# Altium PCB Anchor_PCB.PcbDoc (continued)
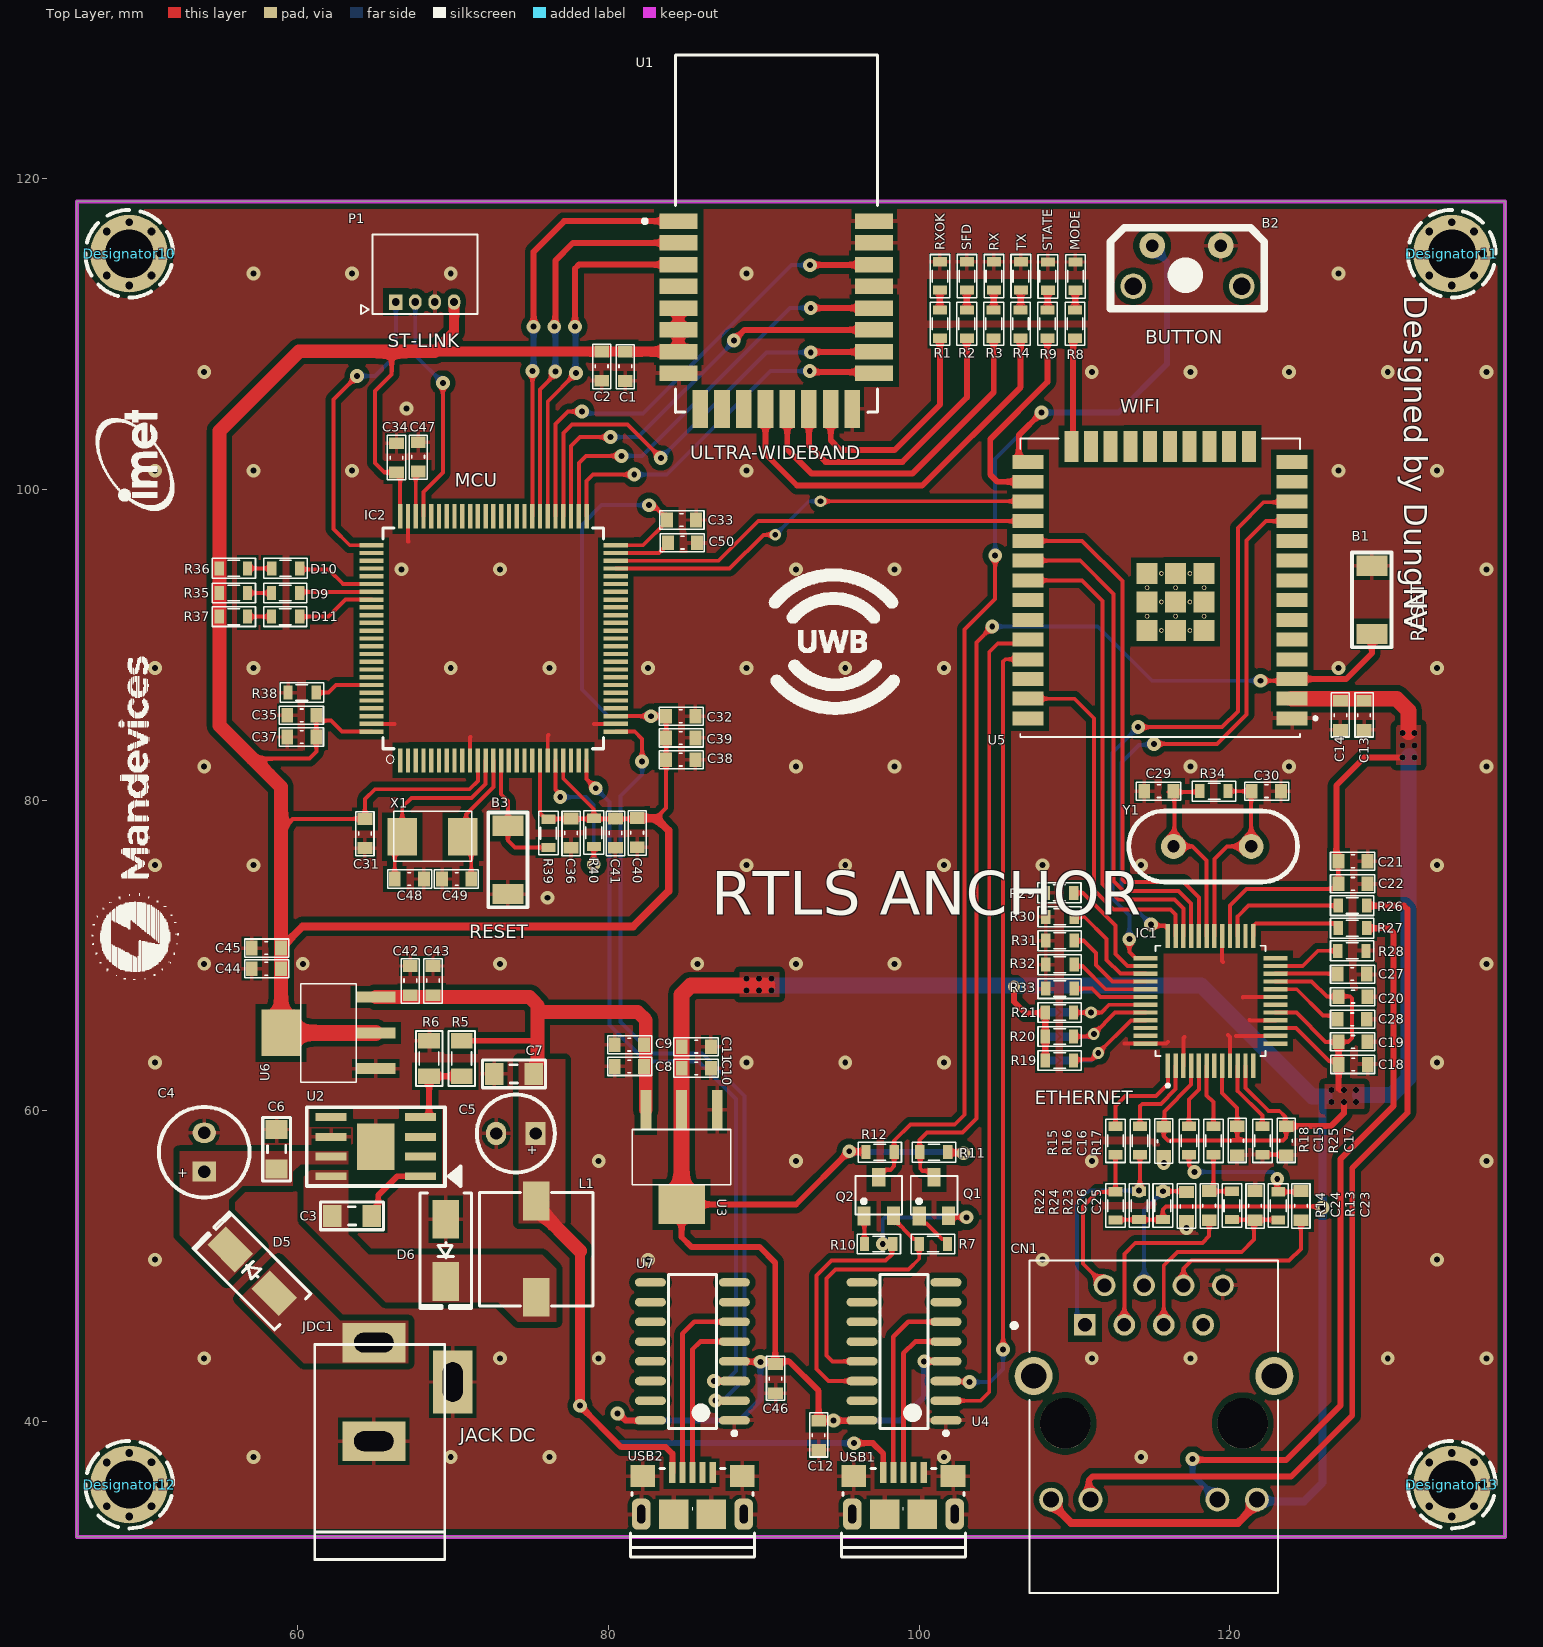
[diagram p0: Top Layer view]
## Footprints (in the part's own frame and the unit in brackets; to place one, negate y for a bottom-side part, rotate by r counter-clockwise, add the part's x,y. Pads: shape width x height; smd on the part's side, far side on the other; paste and mask are expansions set on the pad) (continued)
  silkscreen extent -8.23,-7.75 6.9,6.45, body extent -8.2,-8.65 7.8,7.35, height 1.56
SW [mm]
  rect 0.4x0.25 smd: 1(-0.225,-0.95) 2(-0.225,-0.075)
  Top Layer region: -0.475,-1.138 -0.475,-0.763 -0.225,-0.513 0.025,-0.762 0.025,-1.138
  Top Layer region: -0.475,-0.575 -0.225,-0.325 0.025,-0.575 0.025,0.112 -0.475,0.112
TPS5430-2 [mm]
  rect 2x0.508 smd: 1(-2.875,1.905) 2(-2.875,0.635) 3(-2.875,-0.635) 4(-2.875,-1.905) 5(2.875,-1.905) 6(2.875,-0.635) 7(2.875,0.635) 8(2.875,1.905)
  rect 2.413x2.54 smd: 9(0,0.229) 9(0,-0.229)
  silkscreen extent -5.46,-2.54 4.44,2.54, body extent -3.33,-2.49 3.33,2.49, height 1.69
"USB Micro 5p DIP" [mm]
  rect 0.4x1.35 smd mask+0.05: 1(-1.3,2.675) 2(-0.65,2.675) 3(0,2.675) 4(0.65,2.675) 5(1.3,2.675)
  rrect60% 1.2x2 hole 0.5 slot 1.2 at 90 deg: 5(-3.3,0) 5(3.3,0)
  rect 1.6x1.4 smd: 5(-3.2,2.45) 5(3.2,2.45)
  rect 1.9x1.9 smd paste-10: 5(-1.2,0) 5(1.2,0)
  silkscreen extent -4,-2.75 4,2.95, body extent -3.93,-2.76 3.93,2.9, height 2.85
W5500 [mm]
  rect 1.56x0.28 smd: 1(-4.28,2.283) 2(-4.28,1.783) 3(-4.28,1.283) 4(-4.28,0.783) 5(-4.28,0.283) 6(-4.28,-0.217) 7(-4.28,-0.717) 8(-4.28,-1.217) 9(-4.28,-1.717) 10(-4.28,-2.217) 11(-4.28,-2.717) 12(-4.28,-3.217) 25(4.08,-3.217) 26(4.08,-2.717) 27(4.08,-2.217) 28(4.08,-1.717) 29(4.08,-1.217) 30(4.08,-0.717) 31(4.08,-0.217) 32(4.08,0.283) 33(4.08,0.783) 34(4.08,1.283) 35(4.08,1.783) 36(4.08,2.283)
  rect 0.28x1.56 smd: 13(-2.85,-4.647) 14(-2.35,-4.647) 15(-1.85,-4.647) 16(-1.35,-4.647) 17(-0.85,-4.647) 18(-0.35,-4.647) 19(0.15,-4.647) 20(0.65,-4.647) 21(1.15,-4.647) 22(1.65,-4.647) 23(2.15,-4.647) 24(2.65,-4.647) 37(2.65,3.713) 38(2.15,3.713) 39(1.65,3.713) 40(1.15,3.713) 41(0.65,3.713) 42(0.15,3.713) 43(-0.35,3.713) 44(-0.85,3.713) 45(-1.35,3.713) 46(-1.85,3.713) 47(-2.35,3.713) 48(-2.85,3.713)
  silkscreen extent -5.65,-4.02 3.45,3.08, body extent -4.6,-4.97 4.4,4.03, height 1.6
XTAL [mm]
  round 1.6 hole 0.8: 1(-2.552,0.001) 2(2.448,0.001)
  silkscreen extent -5.44,-2.29 5.44,2.29, body extent -5.55,-2.32 5.62,2.35, height 3.63
"XTAL 5032 SMD" [mm] "SMD 5032 XTAL Footprint"
  rect 1.9x2.4 smd: 1(-1.981,0) 2(1.93,0)
  silkscreen extent -2.51,-1.57 2.49,1.63, body extent -2.5,-1.6 2.5,1.6, height 1.31

## Part data
C1 C2 C3 C6 C7 C8 C9 C10 C11 C12 C13 C14 C15 C16 C17 C18 C19 C20 C21 C22 C23 C24 C25 C26 C27 C28 C29 C30 C31 C32 C33 C34 C35 C36 C37 C38 C39 C40 C41 C42 C43 C44 C45 C46 C47 C48 C49 C50: library part CapSMD, "Capacitor", LatestRevisionDate=17-Jul-2002, LatestRevisionNote="Re-released for DXP Platform.", PackageReference=RAD-0.3, Published=8-Jun-2000, Publisher="Altium Limited"
C4 C5: library part "Cap Pol", "Polarized Capacitor (Axial)", LatestRevisionDate=17-Jul-2002, LatestRevisionNote="Re-released for DXP Platform.", PackageReference=POLAR0.8, Published=8-Jun-2000, Publisher="Altium Limited"
D5 D6: library part 1N5822, "Schottky Rectifiers"
D9 D10 D11 MODE RX RXOK SFD STATE TX: library part LED, "LED Single colour Green and Red"
JDC1: library part DCIN, "Jac DC input"
L1: library part Inductor, "CD73R 22uH 1.23A 7345"
P1: library part Header4, "Header IDC, 4 x 1 Pin Vertical 2.54mm Pitch (Non-Boxed, Male)", Manufacturer="W¨¹rth Elektronik eiSos GmbH", partNo=613002143121, ComponentLink1 Description=Manufacturer, ComponentLink1URL=http://www.we-online.com, ComponentLink2 Description=Datasheet, ComponentLink2URL=http://katalog.we-online.de/em/datasheet/6130xx143121.pdf, Created by="Karrer Zheng", Created Date="29 March 2013", NoPins=02
Q1 Q2: library part 2SC1815, "NPN 600mW, ECB"
R1 R2 R3 R4 R5 R6 R7 R8 R9 R10 R11 R12 R13 R14 R15 R16 R17 R18 R19 R20 R21 R22 R23 R24 R25 R26 R27 R28 R29 R30 R31 R32 R33 R34 R35 R36 R37 R38 R39 R40: library part "Resistor - SMD", "Resistor", Manufacturer="Generic Components", Class=Passive, Published=08/06/2000, Publisher="Altium Hobart Technology Centre"
U1: "Decawave's DW1000 Ultra / Wideband (UWB) transceiver IC"
U3 U6: "800mA Low-Dropout Linear Regulator", Creator="Nguyen Ba Bien", Website=http://group3i.net
U4 U7: "USB to serial chip CH340", Package=Package, Availability=Unavailable, Check_prices=https://www.snapeda.com/parts/CH340C/WCH/view-part/5428851/?ref=eda, MF=WCH, MP=CH340C, Price=None, SnapEDA_Link=https://www.snapeda.com/parts/CH340C/WCH/view-part/5428851/?ref=snap
U5: "Bluetooth, WiFi Transceiver Module 2.4GHz ~ 2.5GHz Surface Mount", Package="Module Espressif Systems", Digi-Key_Part_Number=1904-1010-1-ND, Digi-Key_Purchase_URL=https://www.digikey.com/product-detail/en/espressif-systems/ESP32-WROOM-32/1904-1010-1-ND/8544305?utm_source=snapeda&utm_medium=aggregator&utm_campaign=symbol, MF="Espressif Systems", MP=ESP32-WROOM-32, SnapEDA_Link=https://www.snapeda.com/parts/ESP32-WROOM-32/Espressif%20Systems/view-part/2753322/?ref=snap
USB1 USB2: "USB Type B", Ma_Hang=MH005145, Ten="MicroUSB MK5P DIP"
X1: library part XT2, "Crystal For all Crystal 2pin."
Y1: library part XTAL, "Crystal Oscillator", LatestRevisionDate=17-Jul-2002, LatestRevisionNote="Re-released for DXP Platform.", PackageReference=R38, Published=8-Jun-2000, Publisher="Altium Limited"
U2: Name=TPS5430

## Via types
v1: diameter 0.889, hole 0.381, Top Layer to Bottom Layer, tented both sides, 134 vias
v2: diameter 0.381, hole 0.381, Top Layer to Bottom Layer, tented both sides, 18 vias
v3: diameter 0.762, hole 0.381, Top Layer to Bottom Layer, tented both sides, 6 vias

## Nets (pads, with @x,y where several pads share a name; then routed paths per layer and width w, separated by ;. In a path a pad name is that pad's centre, name@x,y a point inside that pad or via, vN(x,y) a via of type N, cw(c..) or ccw(c..) an arc to the next point about the centre after c; other vN are vias at no path point)
+3.3V: C1.2 C2.2 C10.1 C11.1 C12.1 C13.1 C14.1 C15.1 C16.1 C17.1 C18.1 C19.1 C20.1 C21.1 C22.1 C31.2 C32.2 C33.2 C34.2 C35.2 C36.2 C37.2 C38.2 C39.2 C40.2 C41.2 C44.1 C45.1 C46.1 CN1.9 CN1.12 IC1.4 IC1.8 IC1.11 IC1.15 IC1.17 IC1.21 IC1.28 IC2.11 IC2.19 IC2.22 IC2.28 IC2.50 IC2.75 IC2.100 P1.4 R11.1 R12.1 R19.2 R20.2 R21.2 R22.2 R23.1 R24.1 R35.2 R36.2 R37.2 R39.1 R40.2 U1.5 U1.6 U1.7 U3.2 U4.4 U4.16 U5.2 U6.2 U7.4 U7.16 | length 508.4
  Top Layer w0.254: 57.087,82.677 60.744,82.677 61.201,83.134 C37.2 C35.2@61.201,85.377 ; 58.915,78.029 59.69,78.803 C31.2 64.325,80.073 64.96,80.709 71.056,80.709 71.593,81.245 IC2.11 ; C35.2 C35.2@61.201,85.377 ; IC2.100 62.838,84.419 62.134,85.123 61.455,85.123 C35.2@61.201,85.377 ; 66.04,108.902 66.04,107.425 64.96,106.345 64.96,101.727 65.583,101.105 C34.2 ; IC2.75 C34.2@66.595,101.028 ; IC2.19 75.593,79.17 75.968,78.795 81.896,78.795 C40.2@81.915,78.814 ; IC2.22 77.093,81.403 79.057,79.439 R40.2 ; IC2.28 v1@82.74,85.419 ; IC2.50 82.238,96.419 83.769,97.95 C33.2 83.769,98.138 83.032,98.875 82.735,98.875 v1(82.614,98.996) ; v1(82.74,85.407) C32.2 C39.2 C38.2 83.718,79.502 83.071,78.854 ; R22.2 112.668,52.992 114.173,52.992 115.678,52.992 R23.1 115.697,53.657 115.887,53.848 125.92,53.848 v1(125.984,53.785) ; IC1.4 117.517,61.701 115.79,59.973 115.79,59.008 C16.1 115.76,58.356 116.014,58.102 120.713,58.102 ; IC1.8 119.517,61.14 120.481,60.176 C15.1 120.481,58.335 120.713,58.102 ; IC1.28 120.017,73.218 121.094,74.295 126.746,74.295 127,74.549 C22.1 C21.1 ; IC1.11 121.017,61.482 122.492,60.008 123.19,60.008 123.571,59.627 123.571,59.08 C17.1 123.634,58.293 123.444,58.102 120.713,58.102 ; IC1.15 124.278,65.333 126.399,63.212 126.793,63.212 C18.1 ; IC1.17 124.294,66.333 126.182,64.445 C19.1 ; IC1.21 125.279,68.333 126.259,67.352 C20.1 127.021,67.373 127.74,67.373 127.889,67.225 127.889,64.706 127.628,64.445 C19.1 ; C19.1@127.013,64.433 C19.1
  Top Layer w0.381: v1(80.581,40.513) 80.671,40.513 81.115,40.069 U7.16 ; U7.4 88.14,43.846 v1(89.789,43.846) 90.617,43.846 C46.1@90.742,43.722 ; U4.16 96.323,40.062 v1(94.488,40.062) 93.542,40.062 C12.1 93.535,41.974 91.63,43.878 90.945,43.878 C46.1 C46.1@90.742,43.722 ; R12.1 96.552,57.372 95.536,57.372 v1(95.504,57.404) 92.075,53.975 84.709,53.975 84.709,51.88 85.344,51.244 89.725,51.244 90.742,50.228 C46.1@90.742,43.722 ; v1(100.33,43.878) U4.4 ; R11.1 101.886,57.309 102.838,57.309 v1(102.87,57.277) ; v3(106.121,68.008) 106.108,67.996 106.108,67.029 106.857,66.28 108.079,66.28 R21.2 R20.2 R19.2 ; C17.1 126.517,59.016 127.349,59.849 v2(127.349,60.579) ; C21.1 126.873,76.2 126.873,80.962 128.651,82.74 v2(131.127,82.74) ; C19.1@127.013,64.433 C18.1 127.013,61.455 127.127,61.341
  Top Layer w0.508: C45.1 58.915,70.579 59.042,70.706 59.136,70.706 60.312,71.882 81.597,71.882 83.883,74.168 83.883,78.041 83.071,78.854 C40.2 ; 68.803,108.902 68.816,108.89 ; CN1.9 108.5,34.756 109.792,33.465 120.523,33.465 120.904,33.846 120.904,33.855 121.751,34.701 CN1.12 CN1.12@121.867,34.861
  Top Layer w0.635: 68.803,108.902 70.064,110.164 P1.4 ; 68.816,108.89 C2.2 80.581,108.89 80.584,108.887 84.516,108.887 U1.7 U1.6 U1.5
  Top Layer w0.889: C45.1@58.915,70.579 58.915,78.029 58.915,80.848 57.087,82.677 54.953,84.81 R37.2 R35.2 R36.2 54.953,103.785 60.071,108.902 66.04,108.902 68.803,108.902 ; U6.2@58.928,65.024 C45.1@58.928,70.454
  Top Layer w1.016: U6.2@58.928,65.024 U6.2@65.024,65.024 ; U3.2@84.709,53.975 84.709,60.071 84.709,67.477 85.304,68.072 90.251,68.072 ; U5.2 130.736,86.537 131.508,85.765 131.508,84.391
  Bottom Layer w0.254: v1(82.614,98.996) 79.566,98.996 78.295,97.727 78.295,87.122 80.01,85.407 v1(82.74,85.407)
  Bottom Layer w0.381: v1(80.581,40.513) 80.671,40.513 81.115,40.069 88.456,40.069 89.789,41.402 v1(89.789,43.846) ; v1(94.488,40.062) 98.8,40.062 100.33,41.593 v1(100.33,43.878) ; v1(95.504,57.404) 95.567,57.34 102.806,57.34 v1(102.87,57.277)
  Bottom Layer w0.508: CN1.12@121.867,34.861 124.777,34.861 125.984,36.068 v1(125.984,53.785) 125.984,60.445
  Bottom Layer w1.016: 90.233,68.072 90.487,68.072 106.058,68.072 v3(106.121,68.008) ; v3@106.121,68.072 118.173,68.072 125.317,60.928 125.73,60.928 126.111,60.928 ; 128.397,61.023 130.429,61.023 131.508,62.103 131.508,82.804 131.572,82.867
  other v2: 126.555,60.579 128.143,60.579 126.555,61.341 127.349,61.341 128.143,61.341 88.9,67.754 89.694,67.754 90.487,67.754 88.9,68.516 89.694,68.516 90.487,68.516 131.889,82.74 131.127,83.534 131.889,83.534 131.127,84.328 131.889,84.328
+5V: C5.1 C7.1 C8.1 C9.1 C42.1 C43.1 L1.2 R5.2 U3.3 U6.3 USB1.1 USB2.1 | length 77.8
  Top Layer w0.381: R5.2 75.248,64.516 ; 71.564,67.183 71.564,67.324 ; L1.2@75.352,53.8 L1.2 ; v1(78.168,41.021) 80.835,38.354 83.693,38.354 84.114,37.933 USB2.1 ; v1(95.822,38.608) 97.028,38.608 97.696,37.94 USB1.1
  Top Layer w0.635: v1(78.168,41.021) 78.168,50.983
  Top Layer w0.889: U6.3 67.246,67.324 68.707,67.324 71.564,67.324 74.921,67.324 75.181,67.064 75.441,66.803 75.441,66.361 ; C7.1 75.339,62.538 75.339,63.06 75.438,63.159 75.438,64.516 75.438,66.358 ccw(c75.038,66.758) 75.441,66.361 ; L1.2@75.352,53.8 78.168,50.983 ; U3.3 82.409,62.865 82.409,65.84 81.888,66.361 75.441,66.361
  Bottom Layer w0.381: v1(78.168,41.021) 80.581,38.608 v1(95.822,38.608)
+12V: D5.1 JDC1.1
ACTLED: CN1.10 R26.2 | length 56.8
  Top Layer w0.381: CN1.10 110.934,35.084 110.934,36.226 111.158,36.449 123.952,36.449 127.889,40.386 127.889,56.325 131.445,59.88 131.445,72.993 131.222,73.216 R26.2
CH340_RXD: U4.3 U5.35 | length 51.3
  Top Layer w0.254: U4.3 101.761,42.577 103.219,42.577 v1(103.251,42.545) ; v1(105.41,44.64) 105.41,88.928 105.559,89.077 U5.35
  Bottom Layer w0.254: v1(103.251,42.545) 104.584,42.545 105.41,43.37 v1(105.41,44.64)
CH340_TXD: U4.2 U5.34 | length 53.5
  Top Layer w0.254: U4.2 103.95,41.338 104.521,41.91 104.521,89.535 105.093,90.106 106.776,90.106 U5.34
D_N: U4.6 USB1.2 | length 12.5
  Top Layer w0.305: USB1.2 98.346,45.451 99.314,46.419 U4.6
D_P: U4.5 USB1.3 | length 10.7
  Top Layer w0.305: USB1.3 98.996,44.386 99.758,45.148 U4.5
DN: U7.6 USB2.2 | length 12.6
  Top Layer w0.305: USB2.2 84.764,45.648 85.534,46.419 U7.6
DP: U7.5 USB2.3 | length 10.8
  Top Layer w0.305: USB2.3 85.414,44.647 85.915,45.148 U7.5
DTR: Q2.2 R7.1 U4.13 | length 17.4
  Top Layer w0.254: U4.13 94.424,43.878 94.043,44.259 94.043,49.212 94.615,49.784 99.314,49.784 100.012,50.482 R7.1 100.012,51.585 99.839,51.758 99.654,51.758 98.349,53.063 Q2.2
DW_NRST: IC2.56 U1.3 | length 23.5
  Top Layer w0.254: IC2.56 76.095,105.686 v1(77.915,107.505)
  Top Layer w0.381: v1(77.851,110.49) 77.851,114.236 78.099,114.485 U1.3
  Bottom Layer w0.254: v1(77.851,110.49) v1@77.883,110.458 ; v1@77.883,107.537 v1(77.915,107.505)
  Bottom Layer w0.381: v1@77.883,107.537 v1@77.883,110.458
EHT_RST: IC1.37 U5.12 | length 39.7
  Top Layer w0.254: v1(113.538,71.056) 113.538,70.242 113.934,69.846 114.574,69.846 IC1.37 ; v1(114.109,84.709) 119.507,84.709 120.523,85.725 120.523,97.536 122.174,99.187 123.966,99.187 U5.12
  Bottom Layer w0.254: v1(113.538,71.056) 113.538,72.581 112.459,73.66 112.459,83.058 v1(114.109,84.709)
EN: B1.2 Q1.3 R11.2 U5.3 | length 67.2
  Top Layer w0.254: Q1.3 100.965,55.836 100.667,56.134 100.225,56.134 100.076,56.283 100.076,57.303 R11.2 100.038,58.128 100.52,58.61 102.794,58.61 103.695,59.512 103.695,90.17 v1(104.712,91.186) ; v1(121.983,87.694) 123.902,87.694 U5.3
  Top Layer w0.381: U5.3 127.494,87.807 129.159,89.471 B1.2
  Bottom Layer w0.254: v1(104.712,91.186) 111.506,91.186 114.998,87.694 v1(121.983,87.694)
ETH_CS: IC1.32 U5.29 | length 34.3
  Top Layer w0.254: U5.29 110.503,96.697 113.093,94.107 113.093,74.888 113.242,74.739 117.03,74.739 118.017,73.753 IC1.32
ETH_INT: IC1.36 U5.11 | length 36.9
  Top Layer w0.254: v1(114.935,72.009) 115.028,71.916 116.004,71.916 116.017,71.903 IC1.36 ; v1(115.126,83.629) 119.189,83.629 121.094,85.534 121.094,96.71 122.351,97.967 U5.11
  Bottom Layer w0.254: v1(114.935,72.009) 113.03,73.914 113.03,82.423 114.173,83.566 115.062,83.566 v1(115.126,83.629)
ETH_MISO: IC1.34 U5.31 | length 31.2
  Top Layer w0.254: U5.31 110.504,94.157 111.823,92.837 111.823,74.612 112.84,73.596 116.459,73.596 117.017,73.038 IC1.34
ETH_MOSI: IC1.35 U5.37 | length 23.1
  Top Layer w0.254: U5.37 109.995,86.537 111.252,85.281 111.252,74.231 112.509,72.974 116.192,72.974 116.517,72.649 IC1.35
ETH_SCLK: IC1.33 U5.30 | length 32.6
  Top Layer w0.254: U5.30 110.377,95.427 112.522,93.281 112.522,74.813 113.167,74.168 116.713,74.168 117.517,73.364 IC1.33
EXTON: IC2.58 U1.1 | length 27.2
  Top Layer w0.254: IC2.58 75.108,98.302 75.108,107.62 v1(75.12,107.632)
  Top Layer w0.381: v1(75.184,110.49) 75.184,115.316 77.153,117.284 U1.1
  Bottom Layer w0.254: v1(75.12,107.632) v1@75.184,107.696
  Bottom Layer w0.381: v1@75.184,107.696 v1(75.184,110.49)
GND: B1.1 B2.1 B3.1 C1.1 C2.1 C4.2 C5.2 C6.2 C7.2 C8.2 C9.2 C10.2 C11.2 C12.2 C13.2 C14.2 C15.2 C16.2 C17.2 C18.2 C19.2 C20.2 C21.2 C22.2 C24.2 C26.2 C27.1 C28.1 C29.1 C30.1 C31.1 C32.1 C33.1 C34.1 C35.1 C36.1 C37.1 C38.1 C39.1 C40.1 C41.1 C42.2 C43.2 C44.2 C45.2 C46.2 C47.2 C48.1 C49.1 C50.2 CN1.8 D6.1 IC1.3 IC1.9 IC1.14 IC1.16 IC1.19 IC1.29 IC1.48 IC2.10 IC2.20 IC2.27 IC2.74 IC2.99 JDC1.2 JDC1.3 MODE.2 P1.3 R6.2 R25.1 R28.1 R29.1 R30.1 R31.1 R32.1 R33.1 R38.1 RX.2 RXOK.2 SFD.2 STATE.2 SW1.1 SW2.1 SW3.1 TX.2 U1.8 U1.16 U1.21 U1.23 U1.24 U2.6 U2.9 U3.1 U4.1 U5.1 U6.1 U7.1 USB1.5 USB2.5 | length 25
  Top Layer w0.254: IC2.99 66.211,84.919 66.23,84.9 ; v1(66.992,105.221) v1@67.014,105.221 ; IC2.74 67.095,96.671 67.12,96.647 ; IC2.10 71.093,84.047 71.12,84.074 ; IC2.20 76.093,84.157 76.136,84.201 ; 79.057,84.9 79.077,84.919 IC2.27 ; 113.221,64.325 113.228,64.333 IC1.48 115.895,64.333 116.014,64.453 ; v1(115.76,56.642) C16.2 ; IC1.3 117.017,64.693 117.094,64.77 ; v1(117.221,52.451) C26.2 ; IC1.29 119.517,69.649 119.57,69.596 ; 119.888,64.897 120.017,64.768 IC1.9 ; 120.397,64.833 IC1.14 ; 120.84,67.31 120.863,67.333 IC1.19 ; 121.285,65.849 121.302,65.833 IC1.16 ; R25.1 123.584,57.187 C17.2
  other v1: 57.15,37.719 69.85,37.719 76.2,37.719 101.6,37.719 114.3,37.719 53.975,44.069 73.025,44.069 79.375,44.069 111.125,44.069 117.475,44.069 130.175,44.069 136.525,44.069 50.8,50.419 82.55,50.419 107.95,50.419 133.35,50.419 79.375,56.769 92.075,56.769 111.125,56.769 136.525,56.769 50.8,63.119 88.9,63.119 95.25,63.119 101.6,63.119 133.35,63.119 53.975,69.469 60.325,69.469 73.025,69.469 85.725,69.469 92.075,69.469 98.425,69.469 136.525,69.469 76.073,73.724 50.8,75.819 57.15,75.819 88.9,75.819 95.25,75.819 101.6,75.819 107.95,75.819 114.3,75.819 133.35,75.819 53.975,82.169 92.075,82.169 98.425,82.169 117.475,82.169 123.825,82.169 136.525,82.169 50.8,88.519 57.15,88.519 69.85,88.519 76.2,88.519 82.55,88.519 88.9,88.519 95.25,88.519 101.6,88.519 127,88.519 133.35,88.519 66.675,94.869 73.025,94.869 92.075,94.869 98.425,94.869 136.525,94.869 50.8,101.219 57.15,101.219 63.5,101.219 88.9,101.219 127,101.219 133.35,101.219 53.975,107.569 111.125,107.569 117.475,107.569 123.825,107.569 130.175,107.569 136.525,107.569 57.15,113.919 63.5,113.919 69.85,113.919 88.9,113.919 127,113.919
IO0: B2.2 Q2.3 R12.2 U5.25 | length 77.2
  Top Layer w0.254: Q2.3 97.409,55.899 97.707,56.197 97.707,56.206 98.158,56.206 98.399,56.448 98.399,57.122 R12.2@98.29,57.231 ; R12.2 98.399,58.077 99.441,59.118 102.298,59.118 102.933,59.753 102.933,90.995 104.902,92.964 v1(104.902,95.758)
  Top Layer w0.381: R12.2@98.29,57.231 R12.2 ; U5.25 106.686,101.777 106.426,102.037 106.426,103.505 v1(107.886,104.965)
  Bottom Layer w0.254: v1(104.902,95.758) 104.902,101.981 v1(107.886,104.965)
  Bottom Layer w0.381: v1(107.886,104.965) 112.84,104.965 115.951,108.077 115.951,114.674 115.011,115.614 B2.2
IO2: R8.2 U5.24 | length 7.1
  Top Layer w0.381: U5.24 109.918,102.895 109.918,109.644 110.028,109.754 R8.2
IO4: R9.2 U5.26 | length 12.9
  Top Layer w0.381: U5.26 105.043,100.507 104.584,100.965 104.584,103.251 108.268,106.934 R9.2
IRQ: IC2.55 U1.22 | length 30.8
  Top Layer w0.254: IC2.55 76.595,104.218 77.406,105.029 v1(78.295,105.029)
  Top Layer w0.381: v1(92.98,114.448) 92.998,114.466 97.09,114.466 U1.22
  Bottom Layer w0.254: v1(78.295,105.029) 78.383,104.942 78.633,104.942 78.673,104.902 82.233,104.902 91.779,114.448 v1(92.98,114.448)
LED1: D10.2 IC2.81 | length 5
  Top Layer w0.254: D10.2 60.198,94.869 61.976,94.869 62.926,93.919 IC2.81
LED2: D9.2 IC2.82 | length 4.6
  Top Layer w0.254: D9.2 60.195,93.419 IC2.82
LED3: D11.2 IC2.83 | length 5.1
  Top Layer w0.254: D11.2 61.976,91.821 63.074,92.919 IC2.83
LED_RX: R3.2 U1.13 | length 22.2
  Top Layer w0.381: U1.13 91.514,102.606 93.091,101.028 99.568,101.028 104.807,106.267 R3.2
LED_RXOK: R1.2 U1.15 | length 14.8
  Top Layer w0.381: U1.15 94.313,103.172 94.932,102.552 98.425,102.552 101.346,105.474 R1.2
LED_SFD: R2.2 U1.14 | length 18.5
  Top Layer w0.381: U1.14 92.914,102.857 93.98,101.79 98.933,101.79 103.076,105.934 R2.2
LED_TX: R4.2 U1.12 | length 25.9
  Top Layer w0.381: U1.12 90.114,102.291 92.138,100.266 100.203,100.266 106.537,106.601 R4.2
LINKLED: CN1.11 R27.2 | length 48
  Top Layer w0.381: v1(117.602,37.592) 117.665,37.529 123.634,37.529 127.127,41.021 127.127,56.896 130.556,60.325 130.556,71.438 130.231,71.763 R27.2
  Bottom Layer w0.381: v1(117.602,37.592) 117.613,37.581 117.613,36.576 CN1.11
NetC3_1: C3.1 U2.1 | length 4.7
  Top Layer w0.381: C3.1 65.179,53.648 65.179,54.575 66.396,55.791 U2.1
NetC3_2: C3.2 D6.2 L1.1 U2.8
NetC4_1: C4.1 C6.1 D5.2 U2.7
NetC23_1: C23.1 CN1.6 | length 11
  Top Layer w0.254: CN1.6 117.025,49.842 117.538,50.355 123.825,50.355 124.587,51.117 C23.1
NetC24_1: C24.1 CN1.5 R13.2 R14.1 | length 14.6
  Top Layer w0.254: CN1.5 115.755,50.033 116.649,50.927 120.777,50.927 121.561,51.711 121.561,52.886 C24.1 ; R14.1 120.161,52.992 121.54,52.992 123.108,52.992 R13.2
NetC25_1: C25.1 CN1.3 | length 11.5
  Top Layer w0.254: CN1.3 113.215,50.795 113.919,51.498 118.237,51.498 118.681,51.943 C25.1
NetC26_1: C26.1 CN1.4 R23.2 | length 8.1
  Top Layer w0.254: v1(115.697,54.826) 117.182,54.826 C26.1
  Bottom Layer w0.254: CN1.4 114.485,53.615 v1(115.697,54.826)
NetC27_2: C27.2 IC1.22 | length 4
  Top Layer w0.254: IC1.22 126.922,68.833 C27.2
NetC28_2: C28.2 IC1.20 | length 4.8
  Top Layer w0.254: IC1.20 124.318,67.833 126.018,66.133 126.716,66.133 C28.2
NetC47_1: C47.1 IC2.73 | length 3
  Top Layer w0.254: IC2.73 67.596,101.009 C47.1@67.819,101.233
NetC48_2: C48.2 IC2.12 X1.1 | length 12.3
  Top Layer w0.254: C48.2 66.243,77.176 X1.1 66.726,79.553 67.32,80.147 71.194,80.147 72.093,81.046 IC2.12
NetC49_2: C49.2 IC2.13 X1.2 | length 8.7
  Top Layer w0.254: C49.2 71.171,77.125 X1.2 70.836,77.857 70.836,79.091 72.593,80.848 IC2.13
NetC50_1: C50.1 IC2.49 | length 3.7
  Top Layer w0.254: IC2.49 83.262,95.919 83.833,96.489 C50.1
NetD1_1: R1.1 RXOK.1 | length 1.3
  Top Layer w0.381: R1.1 RXOK.1
NetD2_1: R2.1 SFD.1 | length 1.3
  Top Layer w0.381: R2.1 103.08,111.573 103.08,112.849 SFD.1
NetD3_1: R3.1 RX.1 | length 1.3
  Top Layer w0.381: R3.1 104.813,111.576 104.813,112.846 RX.1
NetD4_1: R4.1 TX.1 | length 1.3
  Top Layer w0.381: R4.1 106.547,111.579 106.547,112.843 TX.1
NetD7_1: MODE.1 R8.1 | length 1.3
  Top Layer w0.381: R8.1 110.058,111.582 110.058,112.827 MODE.1
NetD8_1: R9.1 STATE.1 | length 1.3
  Top Layer w0.381: R9.1 108.28,111.582 108.28,112.827 STATE.1
NetD9_1: D9.1 R35.1 | length 1.5
  Top Layer w0.254: R35.1 D9.1
NetD10_1: D10.1 R36.1 | length 1.5
  Top Layer w0.254: R36.1 D10.1
NetD11_1: D11.1 R37.1 | length 1.5
  Top Layer w0.254: R37.1 D11.1
NetIC1_1: IC1.1 R15.2 | length 6.4
  Top Layer w0.254: R15.2 112.649,60.325 113.284,60.96 115.252,60.96 116.017,61.725 IC1.1
NetIC1_2: IC1.2 R16.2 | length 5.5
  Top Layer w0.254: R16.2 114.225,60.303 114.374,60.452 115.57,60.452 116.517,61.399 IC1.2
NetIC1_5: IC1.5 R17.2 | length 4.2
  Top Layer w0.254: R17.2 117.378,60.736 118.017,61.375 IC1.5
NetIC1_6: IC1.6 R18.2 | length 4.1
  Top Layer w0.254: IC1.6 118.517,60.997 118.955,60.56 R18.2
NetIC1_10: IC1.10 R25.2 | length 4.6
  Top Layer w0.254: IC1.10 120.517,61.283 122.108,59.693 R25.2
NetIC1_23: IC1.23 R28.2 | length 4.4
  Top Layer w0.254: IC1.23 124.705,69.333 125.681,70.309 R28.2
NetIC1_25: IC1.25 R27.1 | length 6.4
  Top Layer w0.254: IC1.25 121.53,71.276 121.53,71.924 121.679,72.072 126.826,72.072 126.999,71.9 R27.1
NetIC1_27: IC1.27 R26.1 | length 8
  Top Layer w0.254: IC1.27 120.517,72.511 121.222,73.216 R26.1
NetIC1_38: IC1.38 R29.2 | length 7.7
  Top Layer w0.254: R29.2 110.553,74.041 112.649,71.945 112.649,70.104 113.42,69.333 IC1.38
NetIC1_39: IC1.39 R30.2 | length 6.9
  Top Layer w0.254: R30.2 110.635,72.499 112.078,71.056 112.078,69.723 112.968,68.833 IC1.39
NetIC1_40: IC1.40 R31.2 | length 6.1
  Top Layer w0.254: R31.2 110.59,70.957 111.379,70.168 111.379,69.406 112.452,68.333 IC1.40
NetIC1_41: IC1.41 R32.2 | length 5.3
  Top Layer w0.254: R32.2 110.079,69.318 110.514,69.318 111.999,67.833 IC1.41
NetIC1_42: IC1.42 R33.2 | length 4.8
  Top Layer w0.254: R33.2 111.134,67.872 111.674,67.333 IC1.42
NetIC1_43: IC1.43 R21.1 SW1.2 | length 6.5
  Top Layer w0.254: R21.1 v3(111.061,66.33) 111.733,66.33 112.235,66.833 IC1.43
  Bottom Layer w0.254: SW1.2@109.46,66.344 111.048,66.344 v3(111.061,66.33)
NetIC1_44: IC1.44 R20.1 SW2.2 | length 7.1
  Top Layer w0.254: R20.1 111.08,64.788 v3(111.252,64.96) 112.624,66.333 IC1.44
  Bottom Layer w0.254: SW2.2 110.924,64.77 111.115,64.96 v3(111.252,64.96)
NetIC1_45: IC1.45 R19.1 SW3.2 | length 8
  Top Layer w0.254: R19.1 109.994,63.296 111.111,63.296 v3(111.538,63.722) 113.642,65.827 114.581,65.827 IC1.45
  Bottom Layer w0.254: SW3.2 111.061,63.246 v3(111.538,63.722)
NetIC2_21: IC2.21 R40.1 | length 9.8
  Top Layer w0.254: IC2.21 76.593,80.693 76.811,80.475 76.811,80.288 v1(76.898,80.2) ; v1(79.057,75.882) R40.1
  Bottom Layer w0.254: v1(76.898,80.2) 78.549,80.2 79.057,79.692 v1(79.057,75.882)
NetIC2_94: IC2.94 R38.2 | length 3.8
  Top Layer w0.254: R38.2 61.976,86.932 62.463,87.419 IC2.94
NetQ1_1: Q1.1 R7.2 | length 2.7
  Top Layer w0.254: Q1.1 100.015,53.058 100.313,52.76 100.483,52.76 101.485,51.758 101.655,51.758 101.828,51.585 R7.2
NetQ2_1: Q2.1 R10.2 | length 1.8
  Top Layer w0.254: Q2.1 96.482,53.21 R10.2
NetR5_1: R5.1 R6.1 U2.4 | length 5.2
  Top Layer w0.381: U2.4 68.389,59.601 68.453,59.665 R6.1 R5.1
NRST: B3.2 IC2.14 R39.2 | length 8.1
  Top Layer w0.254: IC2.14 73.093,80.387 73.533,79.947 B3.2 73.533,77.406 73.979,76.96 R39.2
RST: Q1.2 R10.1 U4.14 | length 24.2
  Top Layer w0.254: U4.14 94.17,42.608 93.408,43.37 93.408,49.403 94.361,50.355 97.853,50.355 98.251,50.753 98.251,51.388 R10.1 v1(97.663,51.435) ; Q1.2 101.994,53.149 v1(103.06,53.149)
  Bottom Layer w0.254: v1(97.663,51.435) 97.663,53.001 97.812,53.149 v1(103.06,53.149)
RXD2: IC2.47 U5.27 | length 28.3
  Top Layer w0.254: IC2.47 87.807,94.919 89.98,97.091 v3(90.742,97.091) ; v3(93.662,99.251) 107.002,99.251 U5.27
  Bottom Layer w0.254: v3(90.742,97.091) 92.9,99.251 v3(93.662,99.251)
SPI1_CLK: IC2.52 U1.20 | length 26.6
  Top Layer w0.254: IC2.52 78.095,101.717 78.549,102.171 v1(80.835,102.171)
  Top Layer w0.381: v1(93.027,111.697) 93.033,111.691 97.103,111.691 U1.20
  Bottom Layer w0.254: v1(80.835,102.171) 82.169,102.171 91.694,111.697 v1(93.027,111.697)
SPI1_CS: IC2.51 U1.17 | length 23.8
  Top Layer w0.254: IC2.51 78.595,100.566 78.994,100.965 v1(81.661,100.965) ; U1.17@96.96,107.632 U1.17
  Top Layer w0.381: v1(92.964,107.632) 93.027,107.569 96.897,107.569 U1.17@96.96,107.632
  Bottom Layer w0.254: v1(81.661,100.965) 83.757,100.965 90.424,107.632 v1(92.964,107.632)
SPI1_MISO: IC2.53 U1.19 | length 27.2
  Top Layer w0.254: IC2.53 77.595,102.805 78.168,103.378 v1(80.137,103.378)
  Top Layer w0.381: v1(88.075,109.601) 88.758,110.285 U1.19
  Bottom Layer w0.254: v1(80.137,103.378) 81.915,103.378 88.075,109.537 v1(88.075,109.601)
SPI1_MOSI: IC2.54 U1.18 | length 29.3
  Top Layer w0.254: IC2.54 77.095,103.638 77.66,104.203 81.216,104.203 v1(83.376,102.044)
  Top Layer w0.381: v1(93.027,108.839) 93.05,108.862 97.086,108.862 U1.18
  Bottom Layer w0.254: v1(83.376,102.044) 90.17,108.839 v1(93.027,108.839)
SWCLK: IC2.76 P1.1 | length 19.8
  Top Layer w0.254: v1(63.817,107.315) 62.293,105.791 62.293,97.472 63.347,96.419 IC2.76
  Bottom Layer w0.254: v1(63.817,107.315) 64.96,107.315 66.314,108.668 P1.1
SWDIO: IC2.72 P1.2 | length 15
  Top Layer w0.254: IC2.72 68.096,99.846 69.342,101.092 v1(69.342,106.87)
  Bottom Layer w0.254: P1.2 67.564,108.648 v1(69.342,106.87)
TPIN+: C25.2 R14.2 R18.1 | length 3.9
  Top Layer w0.254: R18.1 118.955,55.093 118.701,54.839 C25.2 118.694,54.826 R14.2
TPIN-: C23.2 R13.1 R17.1 | length 9.2
  Top Layer w0.254: R17.1 117.378,56.506 117.729,56.155 v1(117.729,56.07) ; v1(123.063,55.626) 123.063,54.852 R13.1 124.537,54.789 C23.2
  Bottom Layer w0.254: v1(117.729,56.07) 122.745,56.07 123.063,55.753 v1(123.063,55.626)
TPOUT+: CN1.1 R16.1 R24.2 | length 14.8
  Top Layer w0.254: v1(114.173,54.864) R24.2 114.225,54.879 R16.1
  Bottom Layer w0.254: CN1.1 110.172,46.731 110.172,54.102 110.934,54.864 v1(114.173,54.864)
TPOUT-: CN1.2 R15.1 R22.1 | length 10.5
  Top Layer w0.254: CN1.2 110.553,50.16 110.553,53.848 111.494,54.789 R22.1 R15.1
TXD2: IC2.48 U5.28 | length 27.6
  Top Layer w0.254: IC2.48 87.1,95.419 89.648,97.967 U5.28
UART2_RXD: IC2.26 U7.2 | length 52.6
  Top Layer w0.254: IC2.26 81.697,84.419 82.169,83.947 v1(82.169,82.486) ; v1(86.892,41.351) 86.898,41.345 88.101,41.345 U7.2
  Bottom Layer w0.254: v1(82.169,82.486) 82.169,81.661 80.772,80.264 80.772,65.722 82.804,63.691 86.042,63.691 88.773,60.96 88.773,42.735 87.51,41.473 87.013,41.473 v1(86.892,41.351)
UART2_TXD: IC2.25 U7.3 | length 48.2
  Top Layer w0.254: IC2.25 78.593,81.364 v1(79.184,80.772) ; v1(86.804,42.608) U7.3
  Bottom Layer w0.254: v1(79.184,80.772) 80.073,79.883 80.073,65.532 82.423,63.182 85.789,63.182 88.201,60.77 88.201,43.243 87.63,42.672 86.868,42.672 v1(86.804,42.608)
WAKEUP: IC2.57 U1.2 | length 25.3
  Top Layer w0.254: IC2.57 75.595,106.456 76.581,107.442 v1(76.581,107.614)
  Top Layer w0.381: v1@76.581,110.426 76.581,114.745 77.721,115.885 U1.2
  Bottom Layer w0.381: v1(76.581,107.614) v1@76.581,110.426
  other v1: 76.517,110.49
XI: C30.2 IC1.30 R34.1 Y1.2 | length 12.7
  Top Layer w0.254: IC1.30 119.017,76.218 119.825,77.026 Y1.2 121.384,80.581 R34.1
XO: C29.2 IC1.31 R34.2 Y1.1 | length 13
  Top Layer w0.254: C29.2@116.065,80.53 C29.2@116.434,80.53 ; C29.2 C29.2@116.434,80.53 ; R34.2 118.021,80.53 C29.2@116.434,80.53 ; IC1.31 118.517,76.11 117.601,77.026 Y1.1 116.434,77.077 C29.2@116.434,80.53
pads on no net: B2.0 CN1. CN1.7 CN1.15 CN1.16 Designator10.0 Designator10.2 Designator11.0 Designator11.2 Designator12.0 Designator12.2 Designator13.0 Designator13.2 IC1.7 IC1.12 IC1.13 IC1.18 IC1.24 IC1.26 IC1.46 IC1.47 IC2.1 IC2.2 IC2.3 IC2.4 IC2.5 IC2.6 IC2.7 IC2.8 IC2.9 IC2.15 IC2.16 IC2.17 IC2.18 IC2.23 IC2.24 IC2.29 IC2.30 IC2.31 IC2.32 IC2.33 IC2.34 IC2.35 IC2.36 IC2.37 IC2.38 IC2.39 IC2.40 IC2.41 IC2.42 IC2.43 IC2.44 IC2.45 IC2.46 IC2.59 IC2.60 IC2.61 IC2.62 IC2.63 IC2.64 IC2.65 IC2.66 IC2.67 IC2.68 IC2.69 IC2.70 IC2.71 IC2.77 IC2.78 IC2.79 IC2.80 IC2.84 IC2.85 IC2.86 IC2.87 IC2.88 IC2.89 IC2.90 IC2.91 IC2.92 IC2.93 IC2.95 IC2.96 IC2.97 IC2.98 U1.4 U1.9 U1.10 U1.11 U2.2 U2.3 U2.5 U4.7 U4.8 U4.9 U4.10 U4.11 U4.12 U4.15 U5.4 U5.5 U5.6 U5.7 U5.8 U5.9 U5.10 U5.13 U5.14 U5.15 U5.16 U5.17 U5.18 U5.19 U5.20 U5.21 U5.22 U5.23 U5.32 U5.33 U5.36 U5.38 U5.39_1 U5.39_2 U5.39_3 U5.39_4 U5.39_5 U5.39_6 U5.39_7 U5.39_8 U5.39_9 U5.39_10 U5.39_11 U5.39_12 U5.39_13 U5.39_14 U5.39_15 U5.39_16 U5.39_17 U5.39_18 U5.39_19 U5.39_20 U5.39_21 U7.7 U7.8 U7.9 U7.10 U7.11 U7.12 U7.13 U7.14 U7.15 USB1.4 USB2.4

## Polygon pours and split planes (outlines as drawn)
GND on Top Layer "100" (solid, pour order 12): 137.731,32.575 137.731,118.554 45.783,118.554 45.783,32.572 45.789,32.567
+3.3V on Top Layer "100" (solid, pour order 8): 88.454,68.925 88.454,67.337 90.994,67.337 90.994,68.925
+3.3V on Top Layer "100" (solid, pour order 10): 130.719,82.294 132.307,82.294 132.307,84.834 130.719,84.834
+3.3V on Top Layer "100" (solid, pour order 7): 126.111,61.722 126.111,60.134 128.651,60.134 128.651,61.722
+5V on Top Layer "100" (solid, pour order 3): 74.231,63.309 74.231,52.768 77.279,52.768 77.216,52.832 77.216,63.309
NetC3_2 on Top Layer "100" (solid, pour order 2): 60.389,55.753 60.389,52.959 65.659,47.688 72.898,47.688 74.168,46.419 76.644,46.419 76.644,49.847 75.755,50.736 64.579,50.736 63.246,52.07 63.246,56.197 60.833,56.197 60.77,56.134
NetC4_1 on Top Layer "100" (solid, pour order 1): 63.246,57.404 63.246,56.578 60.198,56.578 59.69,56.07 59.69,55.181 56.451,55.181 55.562,54.292 55.562,53.467 57.753,51.276 55.435,48.959 52.387,52.006 52.387,57.404
+12V on Top Layer "100" (solid, pour order 0): 67.12,43.752 60.389,43.752 56.229,47.911 58.769,50.451 62.738,46.482 67.12,46.482
GND on Bottom Layer "100" (solid, pour order 13): 137.731,32.575 137.731,118.554 45.783,118.554 45.783,32.572 45.789,32.567
+3.3V on Bottom Layer "100" (solid, pour order 9): 88.454,68.925 88.454,67.337 90.994,67.337 90.994,68.925
+3.3V on Bottom Layer "100" (solid, pour order 11): 130.719,82.294 132.307,82.294 132.307,84.834 130.719,84.834
+3.3V on Bottom Layer "100" (solid, pour order 6): 126.111,61.722 126.111,60.134 128.651,60.134 128.651,61.722

## Keep-outs
Keep-Out Layer:
  the board outline again, w0.254

## Silkscreen, mask and mechanical layers (free items; w line width, h text height)
Top Overlay:
  drawing of 2332 lines, arcs and shapes, not listed
  text "Designed by DungNV" at 130.746,112.522 h2.54 r270
  text "BUTTON" at 114.554,109.093 h1.5
  text "ST-LINK" at 65.796,108.883 h1.5
  text "WIFI" at 112.966,104.648 h1.5
  text "ULTRA-WIDEBAND" at 85.265,101.663 h1.5
  text "MCU" at 70.104,99.885 h1.5
  text "RESET" at 132.823,90.215 h1.5 r90
  text "RTLS ANCHOR" at 86.614,71.691 h4.83
  text "RESET" at 71.026,70.829 h1.5
  text "ETHERNET" at 107.442,60.134 h1.5
  text "JACK DC" at 70.421,38.417 h1.5
Bottom Overlay:
  drawing of 11642 lines, arcs and shapes, not listed

## Text inside footprints (layer, text, board x,y; h text height)
C4: Top Overlay "+" at 52.857,55.639 h0.6 r90
C5: Top Overlay "+" at 75.438,57.709 h0.6 r180